# Altium PCB AnalogIO-CAN-HW-Rev1.PcbDoc (part 1 of 2)
Units mil, origin at the board's own origin, x right, y up, seen from the top; angles counter-clockwise.
Board outline 3934 x 2940 mil, 4 copper layers (Top Layer, GND Layer, Power Layer, Bottom Layer), stack 22.154 mil thick; 165 components, 107 nets, 484 pads, 172 vias.
Unrouted connection lines stored in the file: 53.
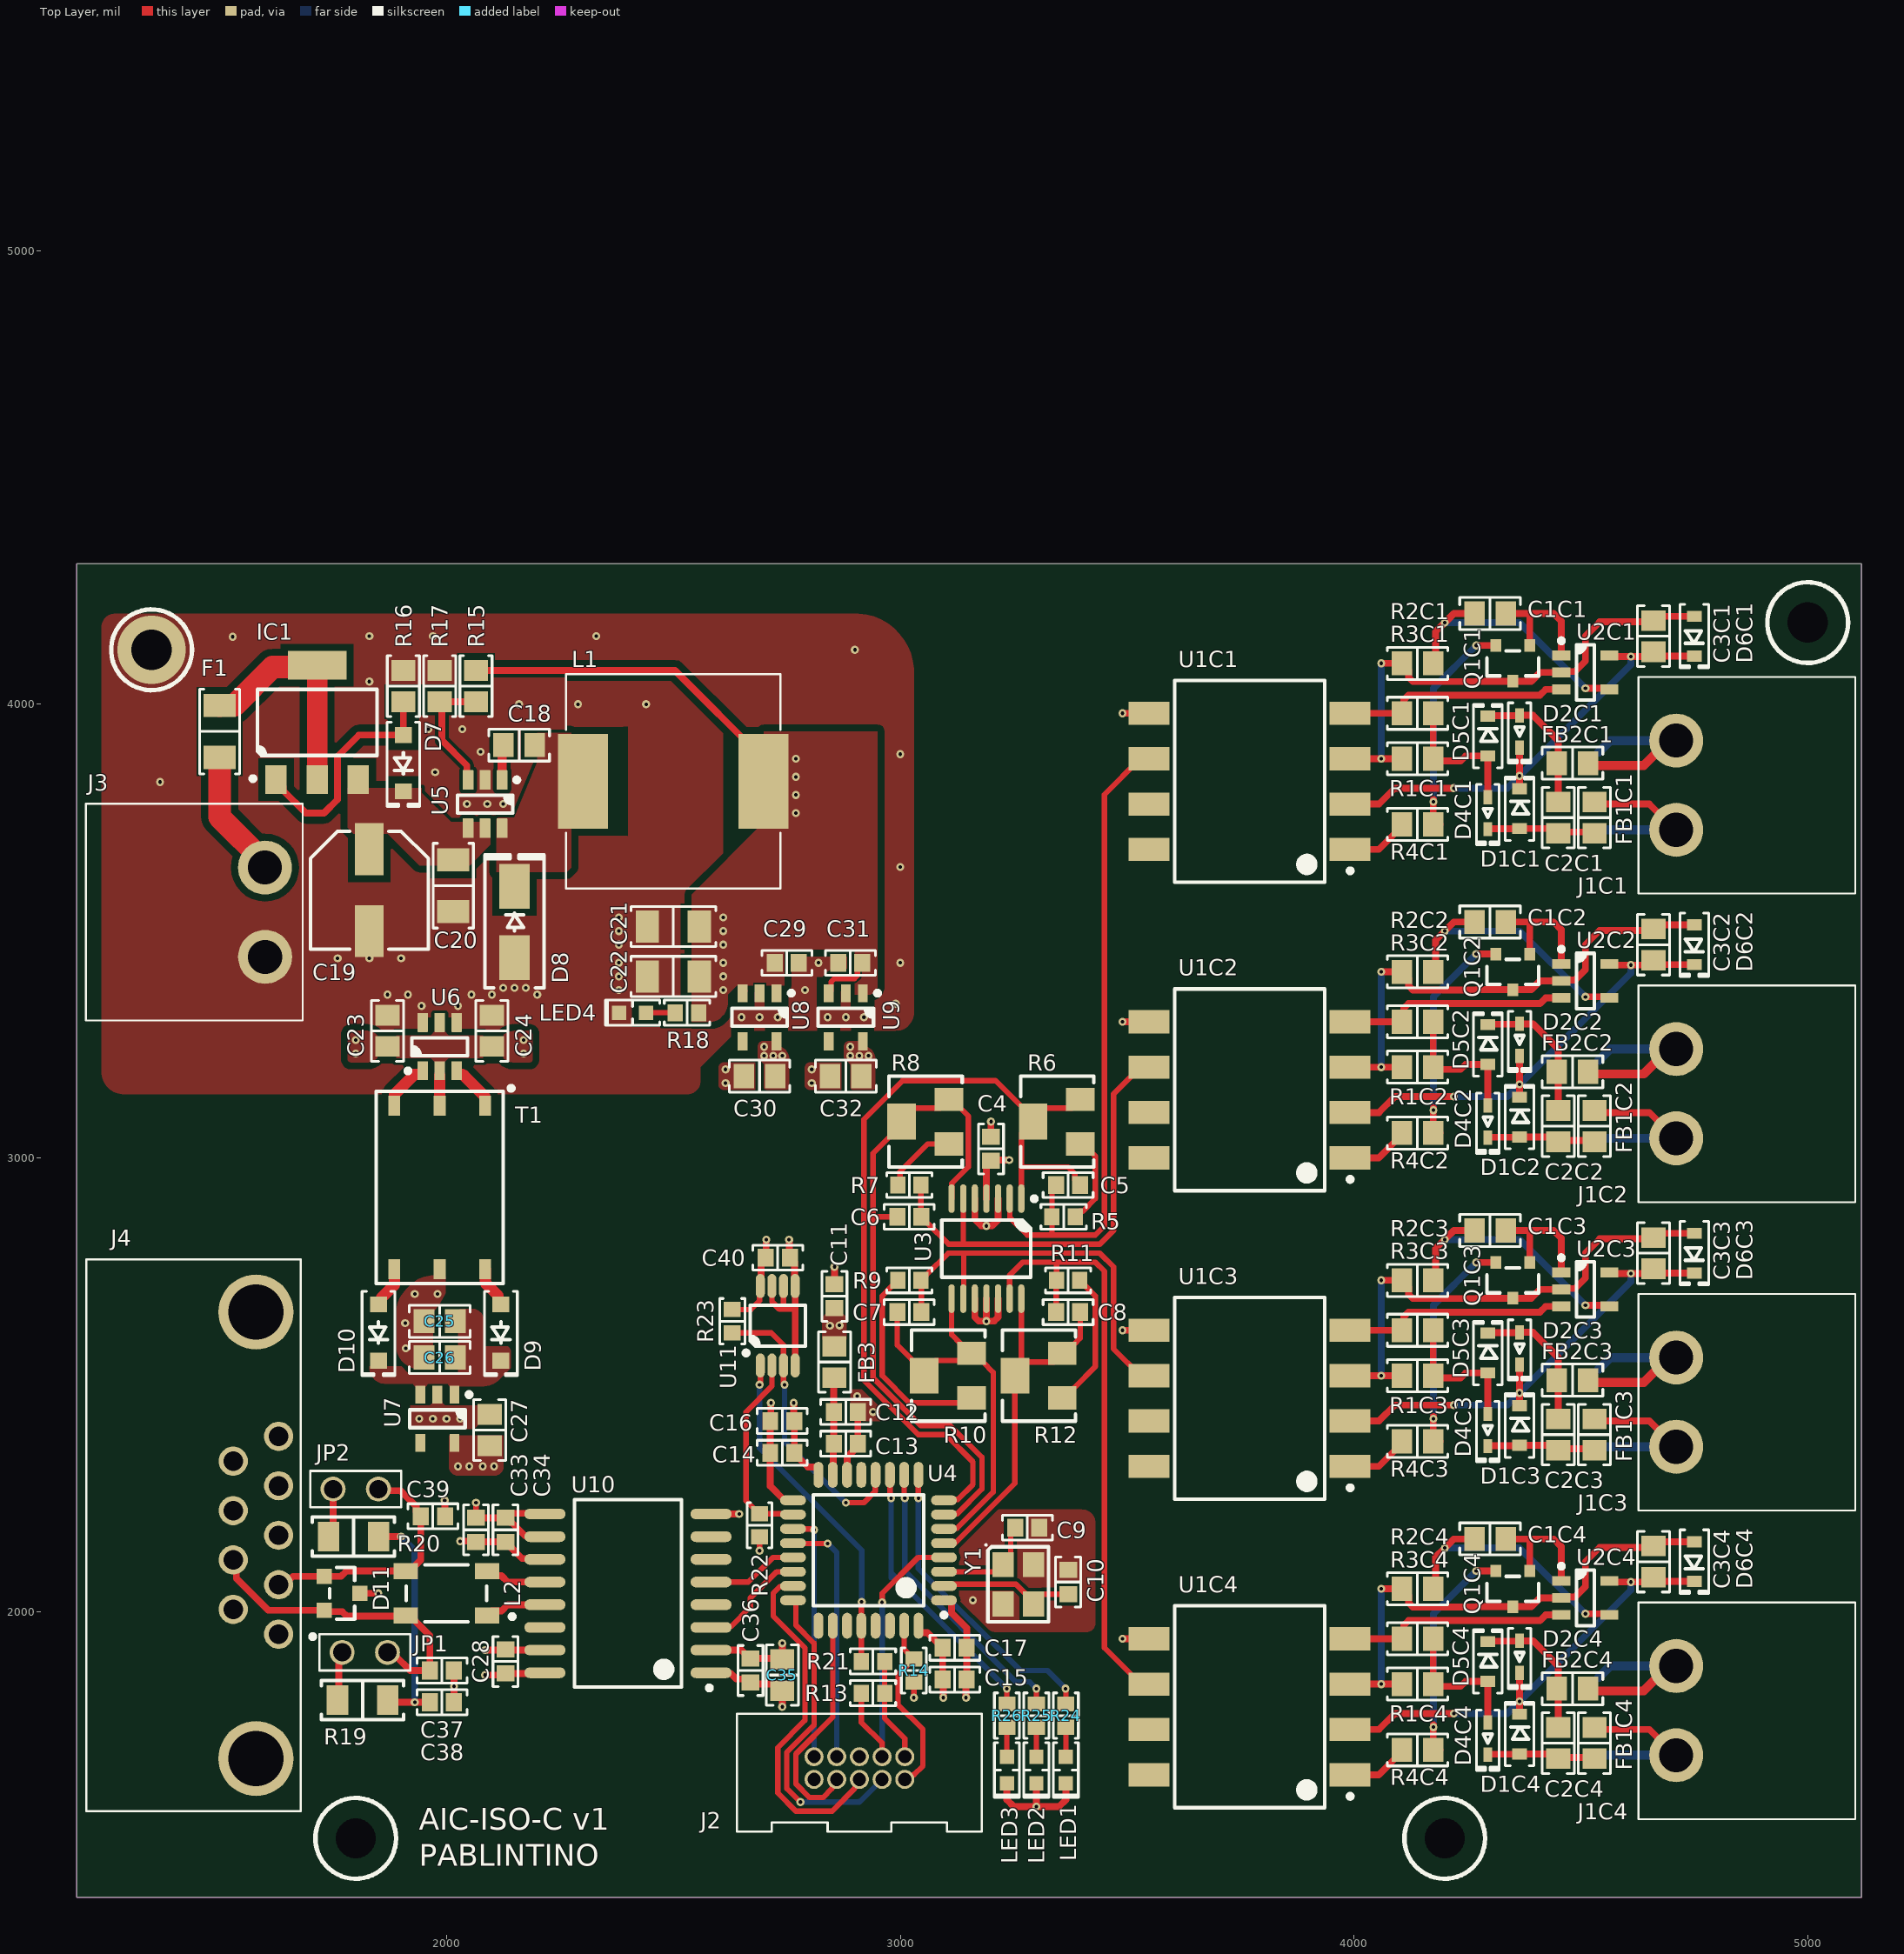
[diagram p0: Top Layer view]
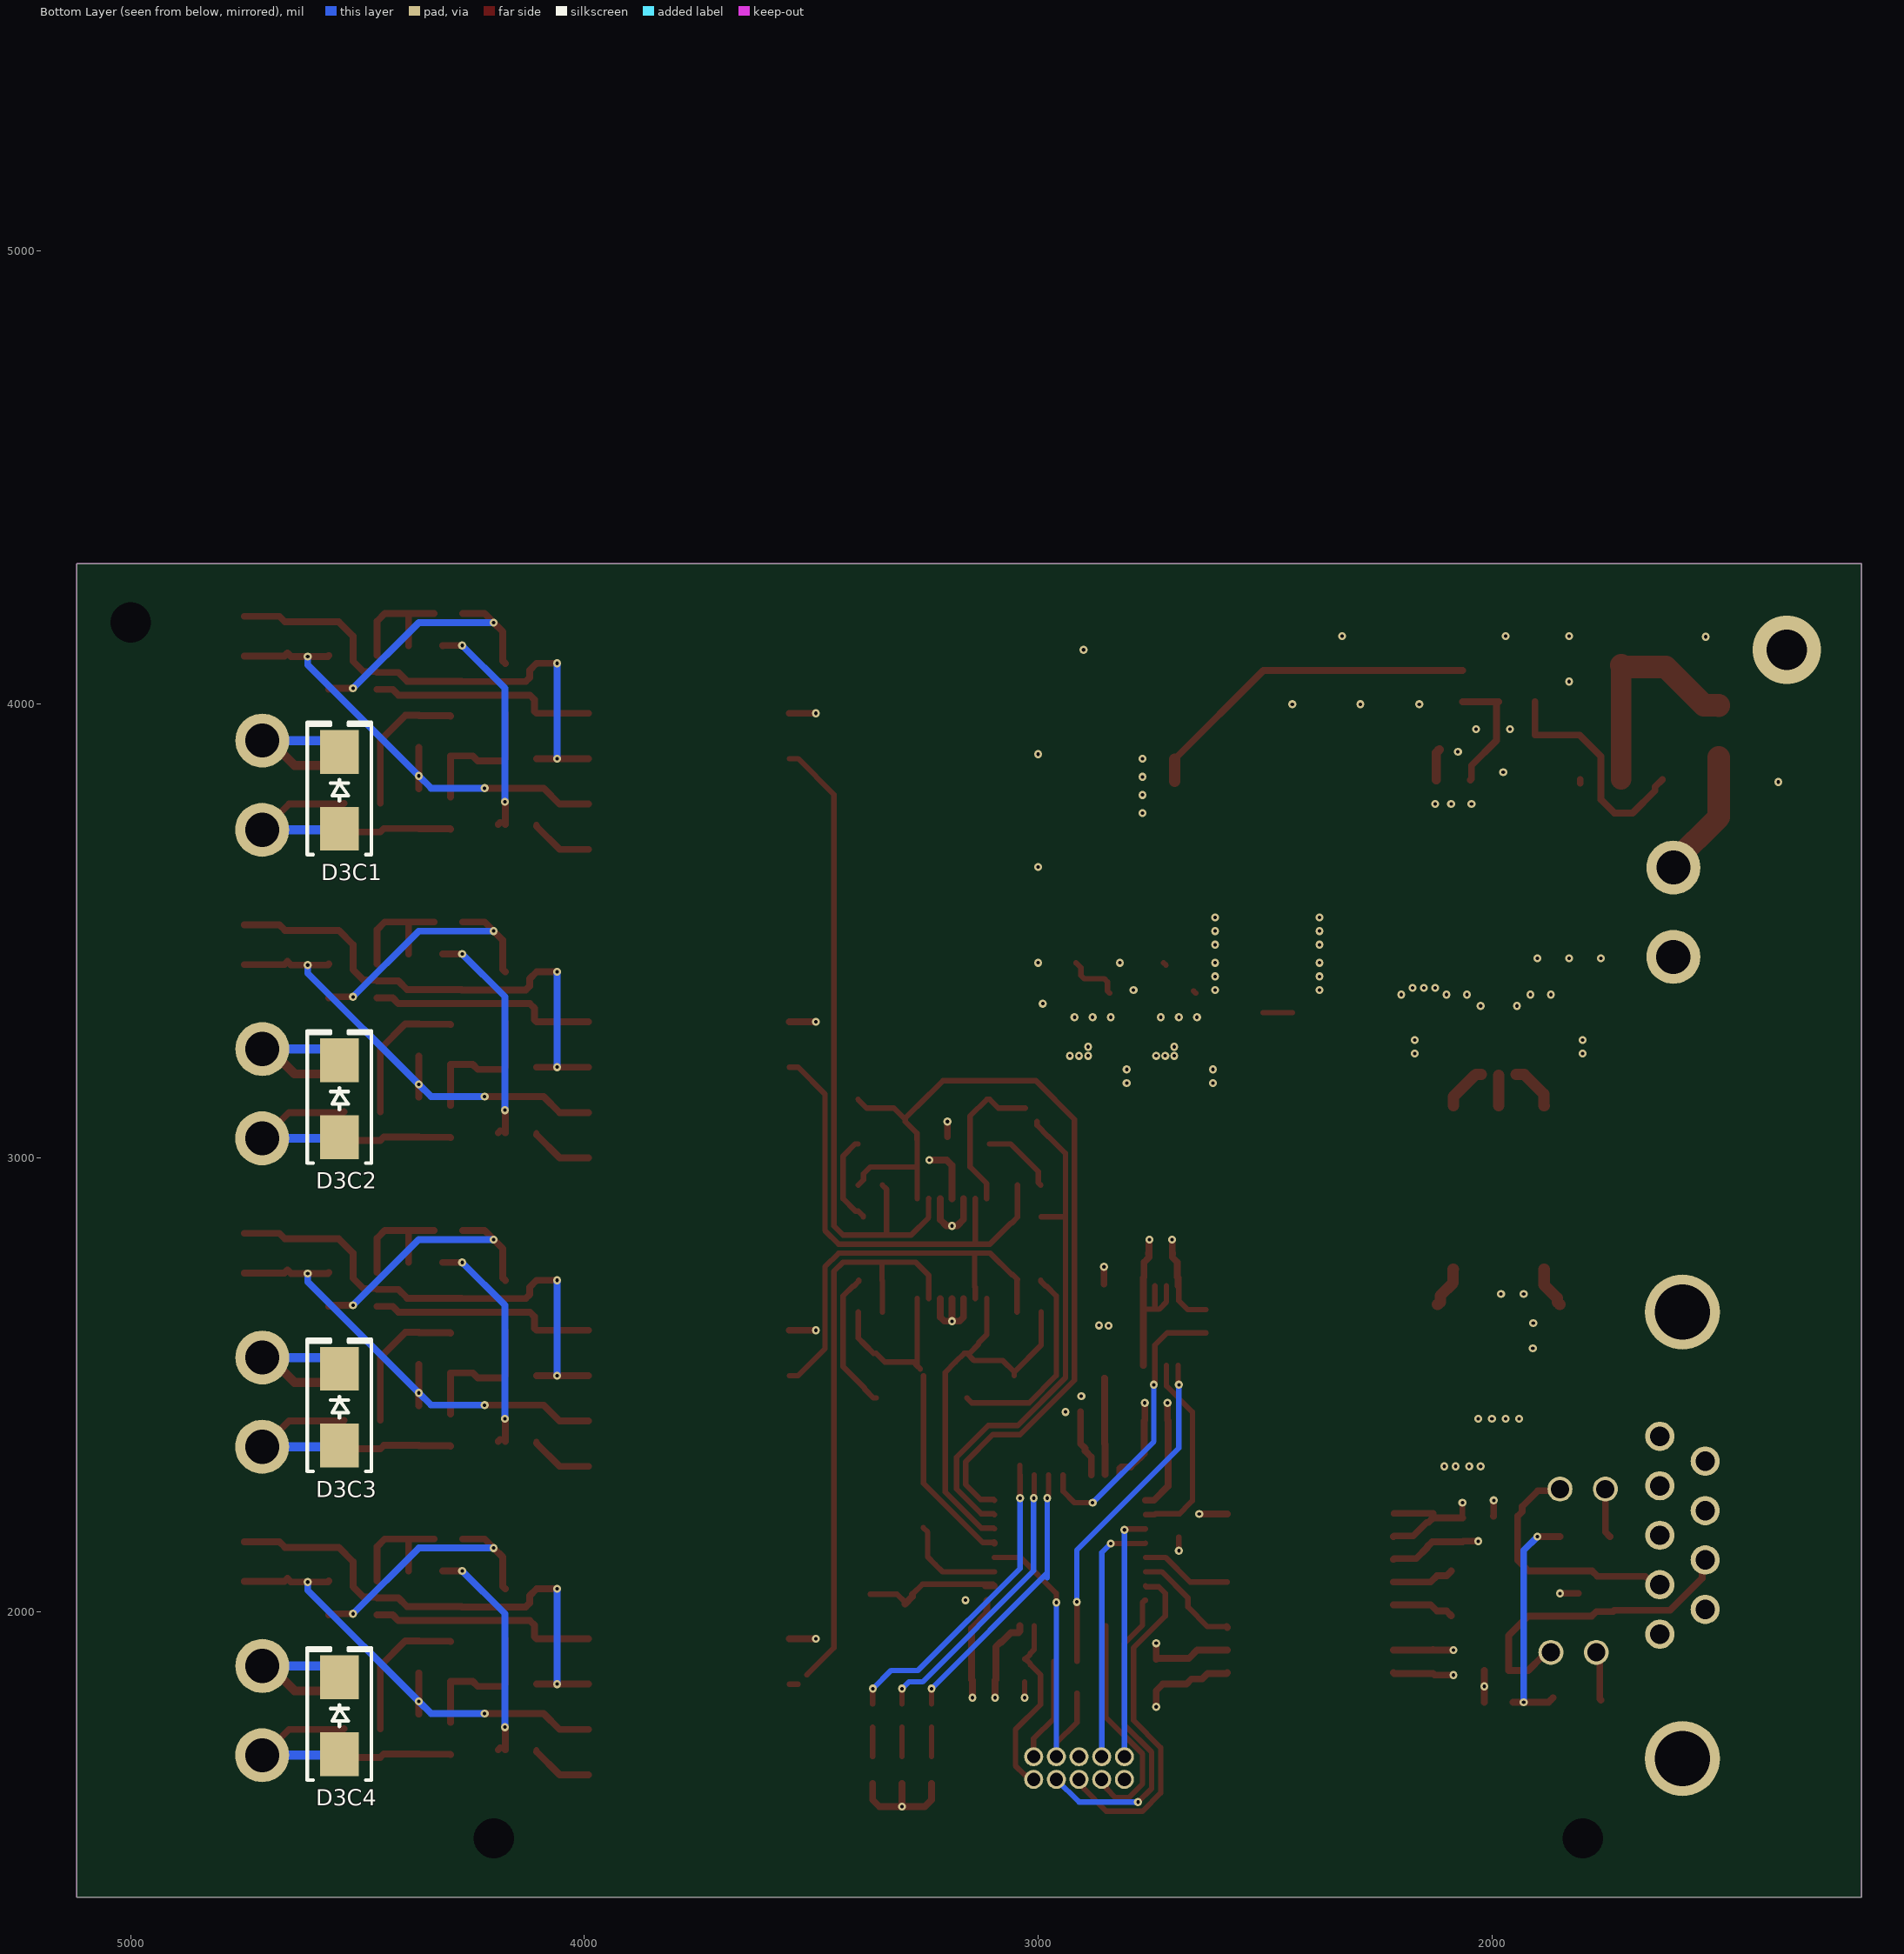
[diagram p1: Bottom Layer view, seen from below]
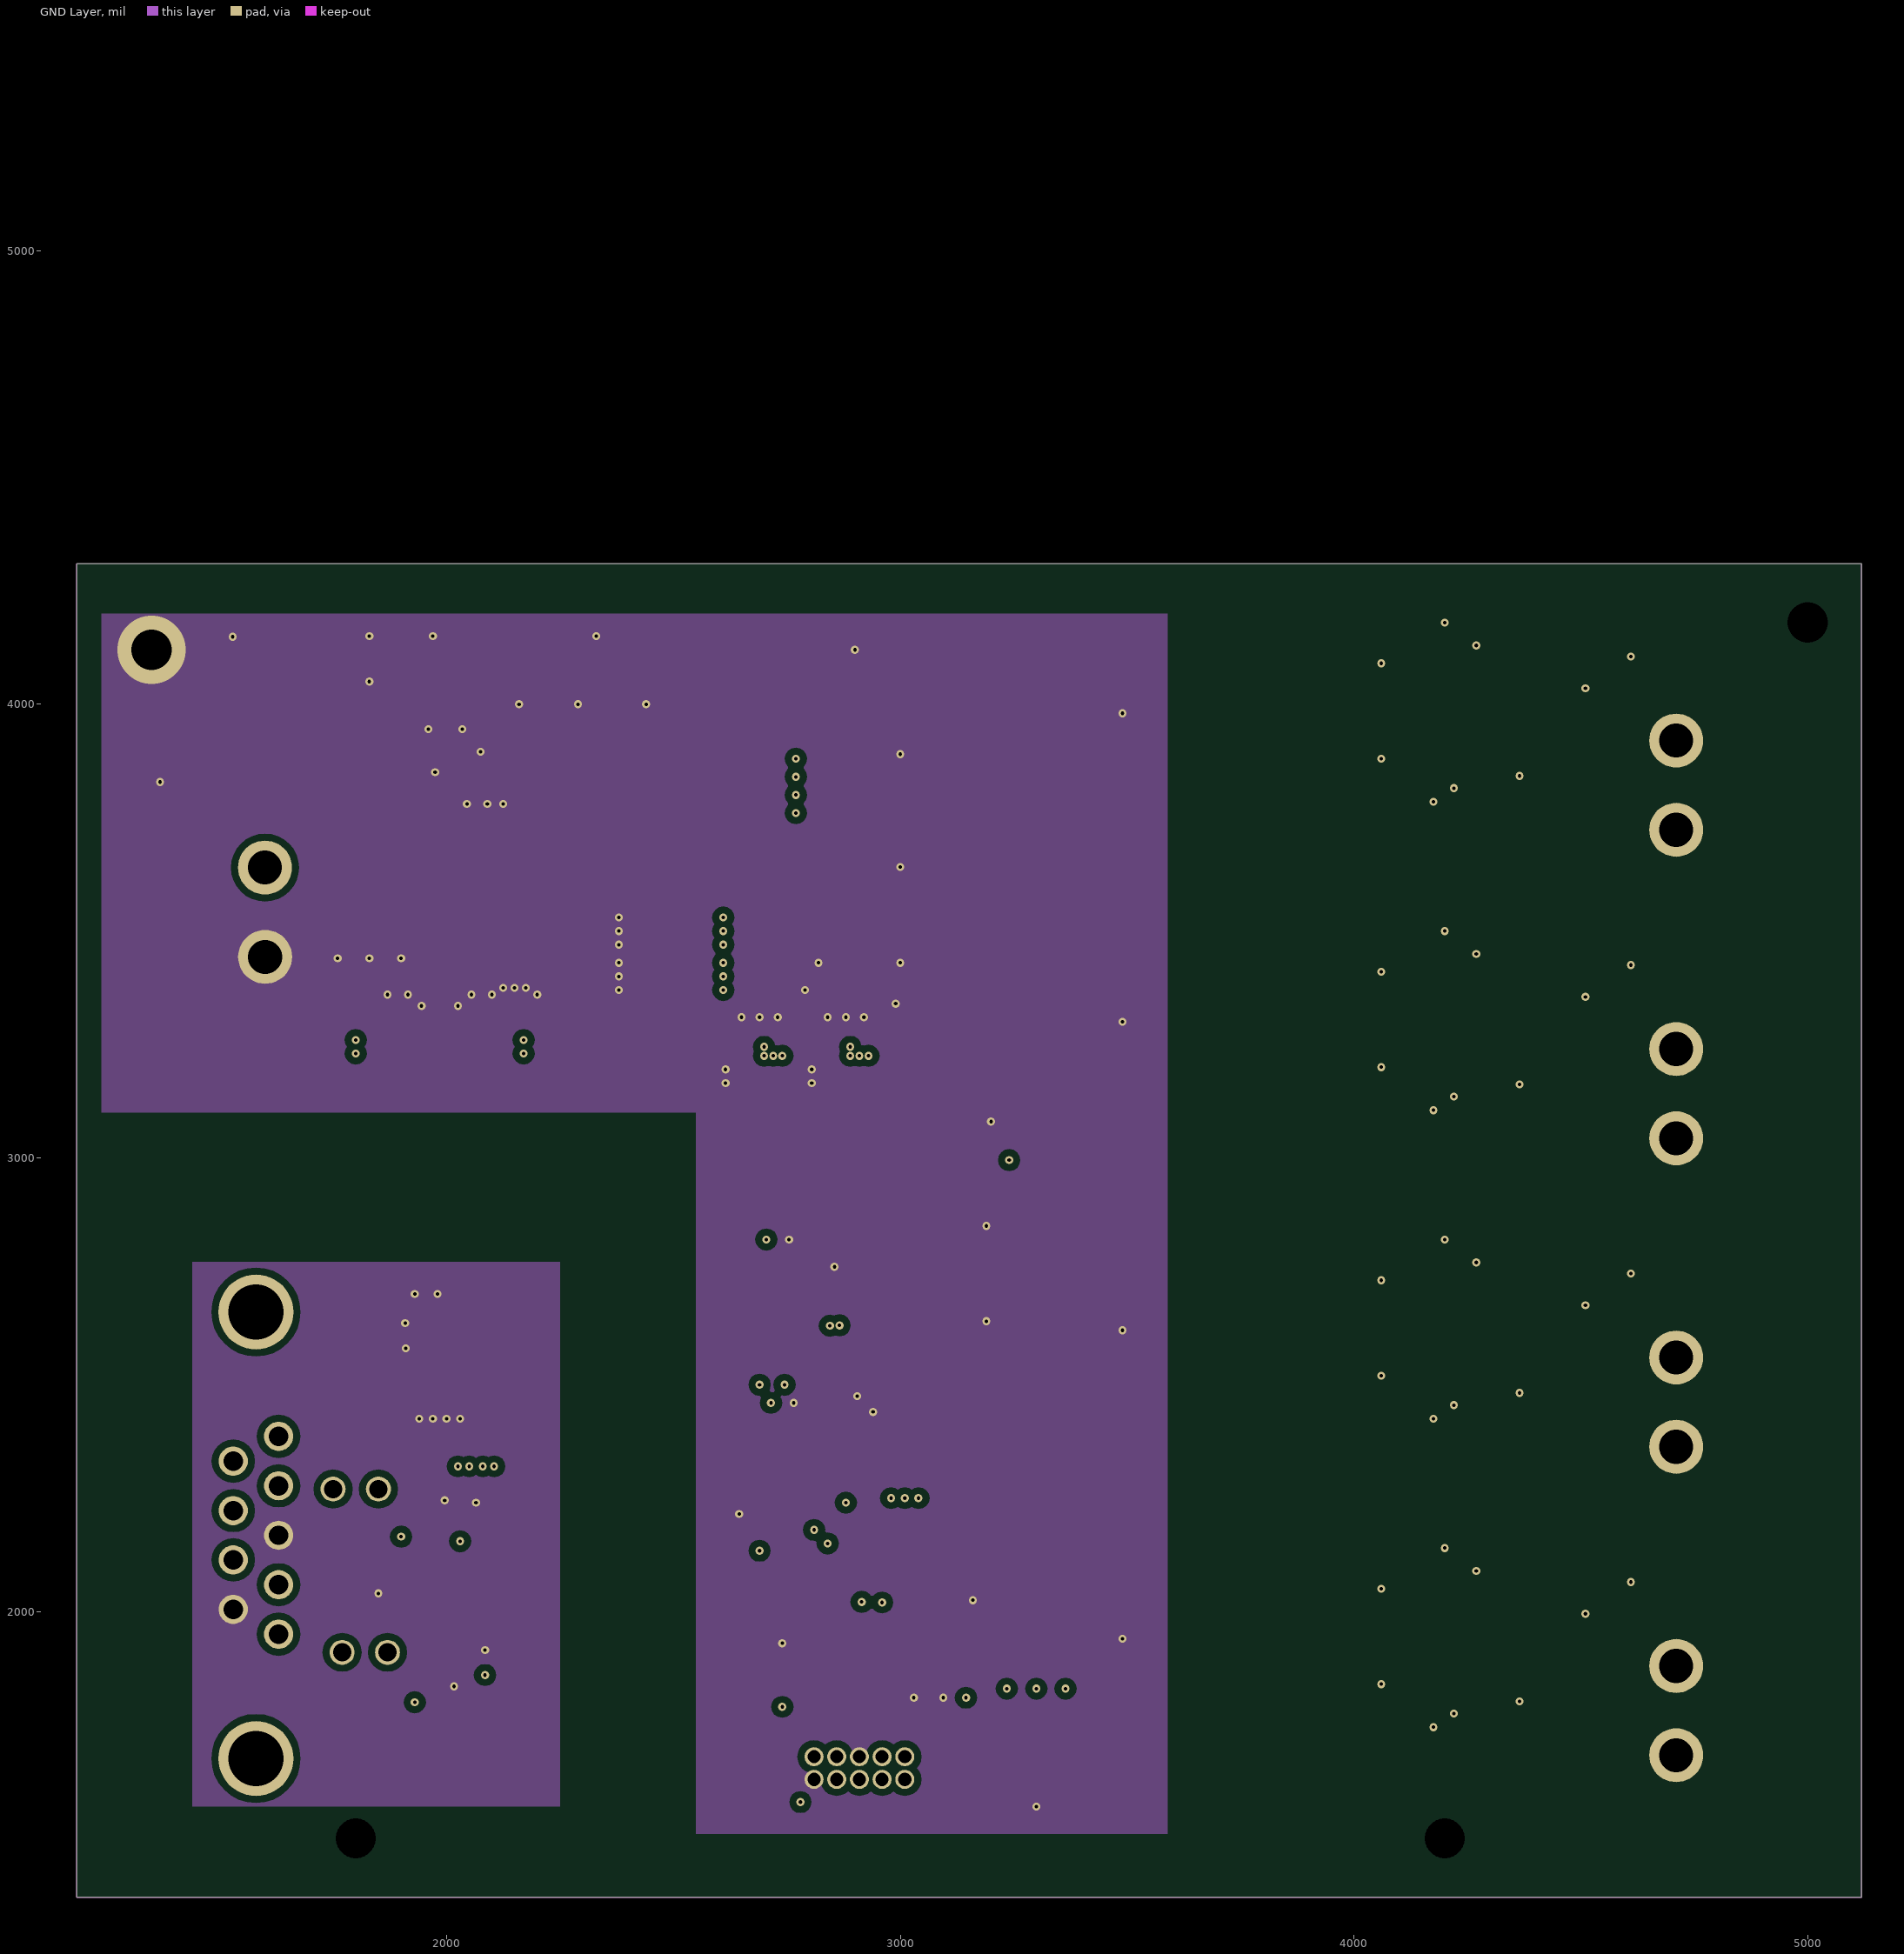
[diagram p2: GND Layer]
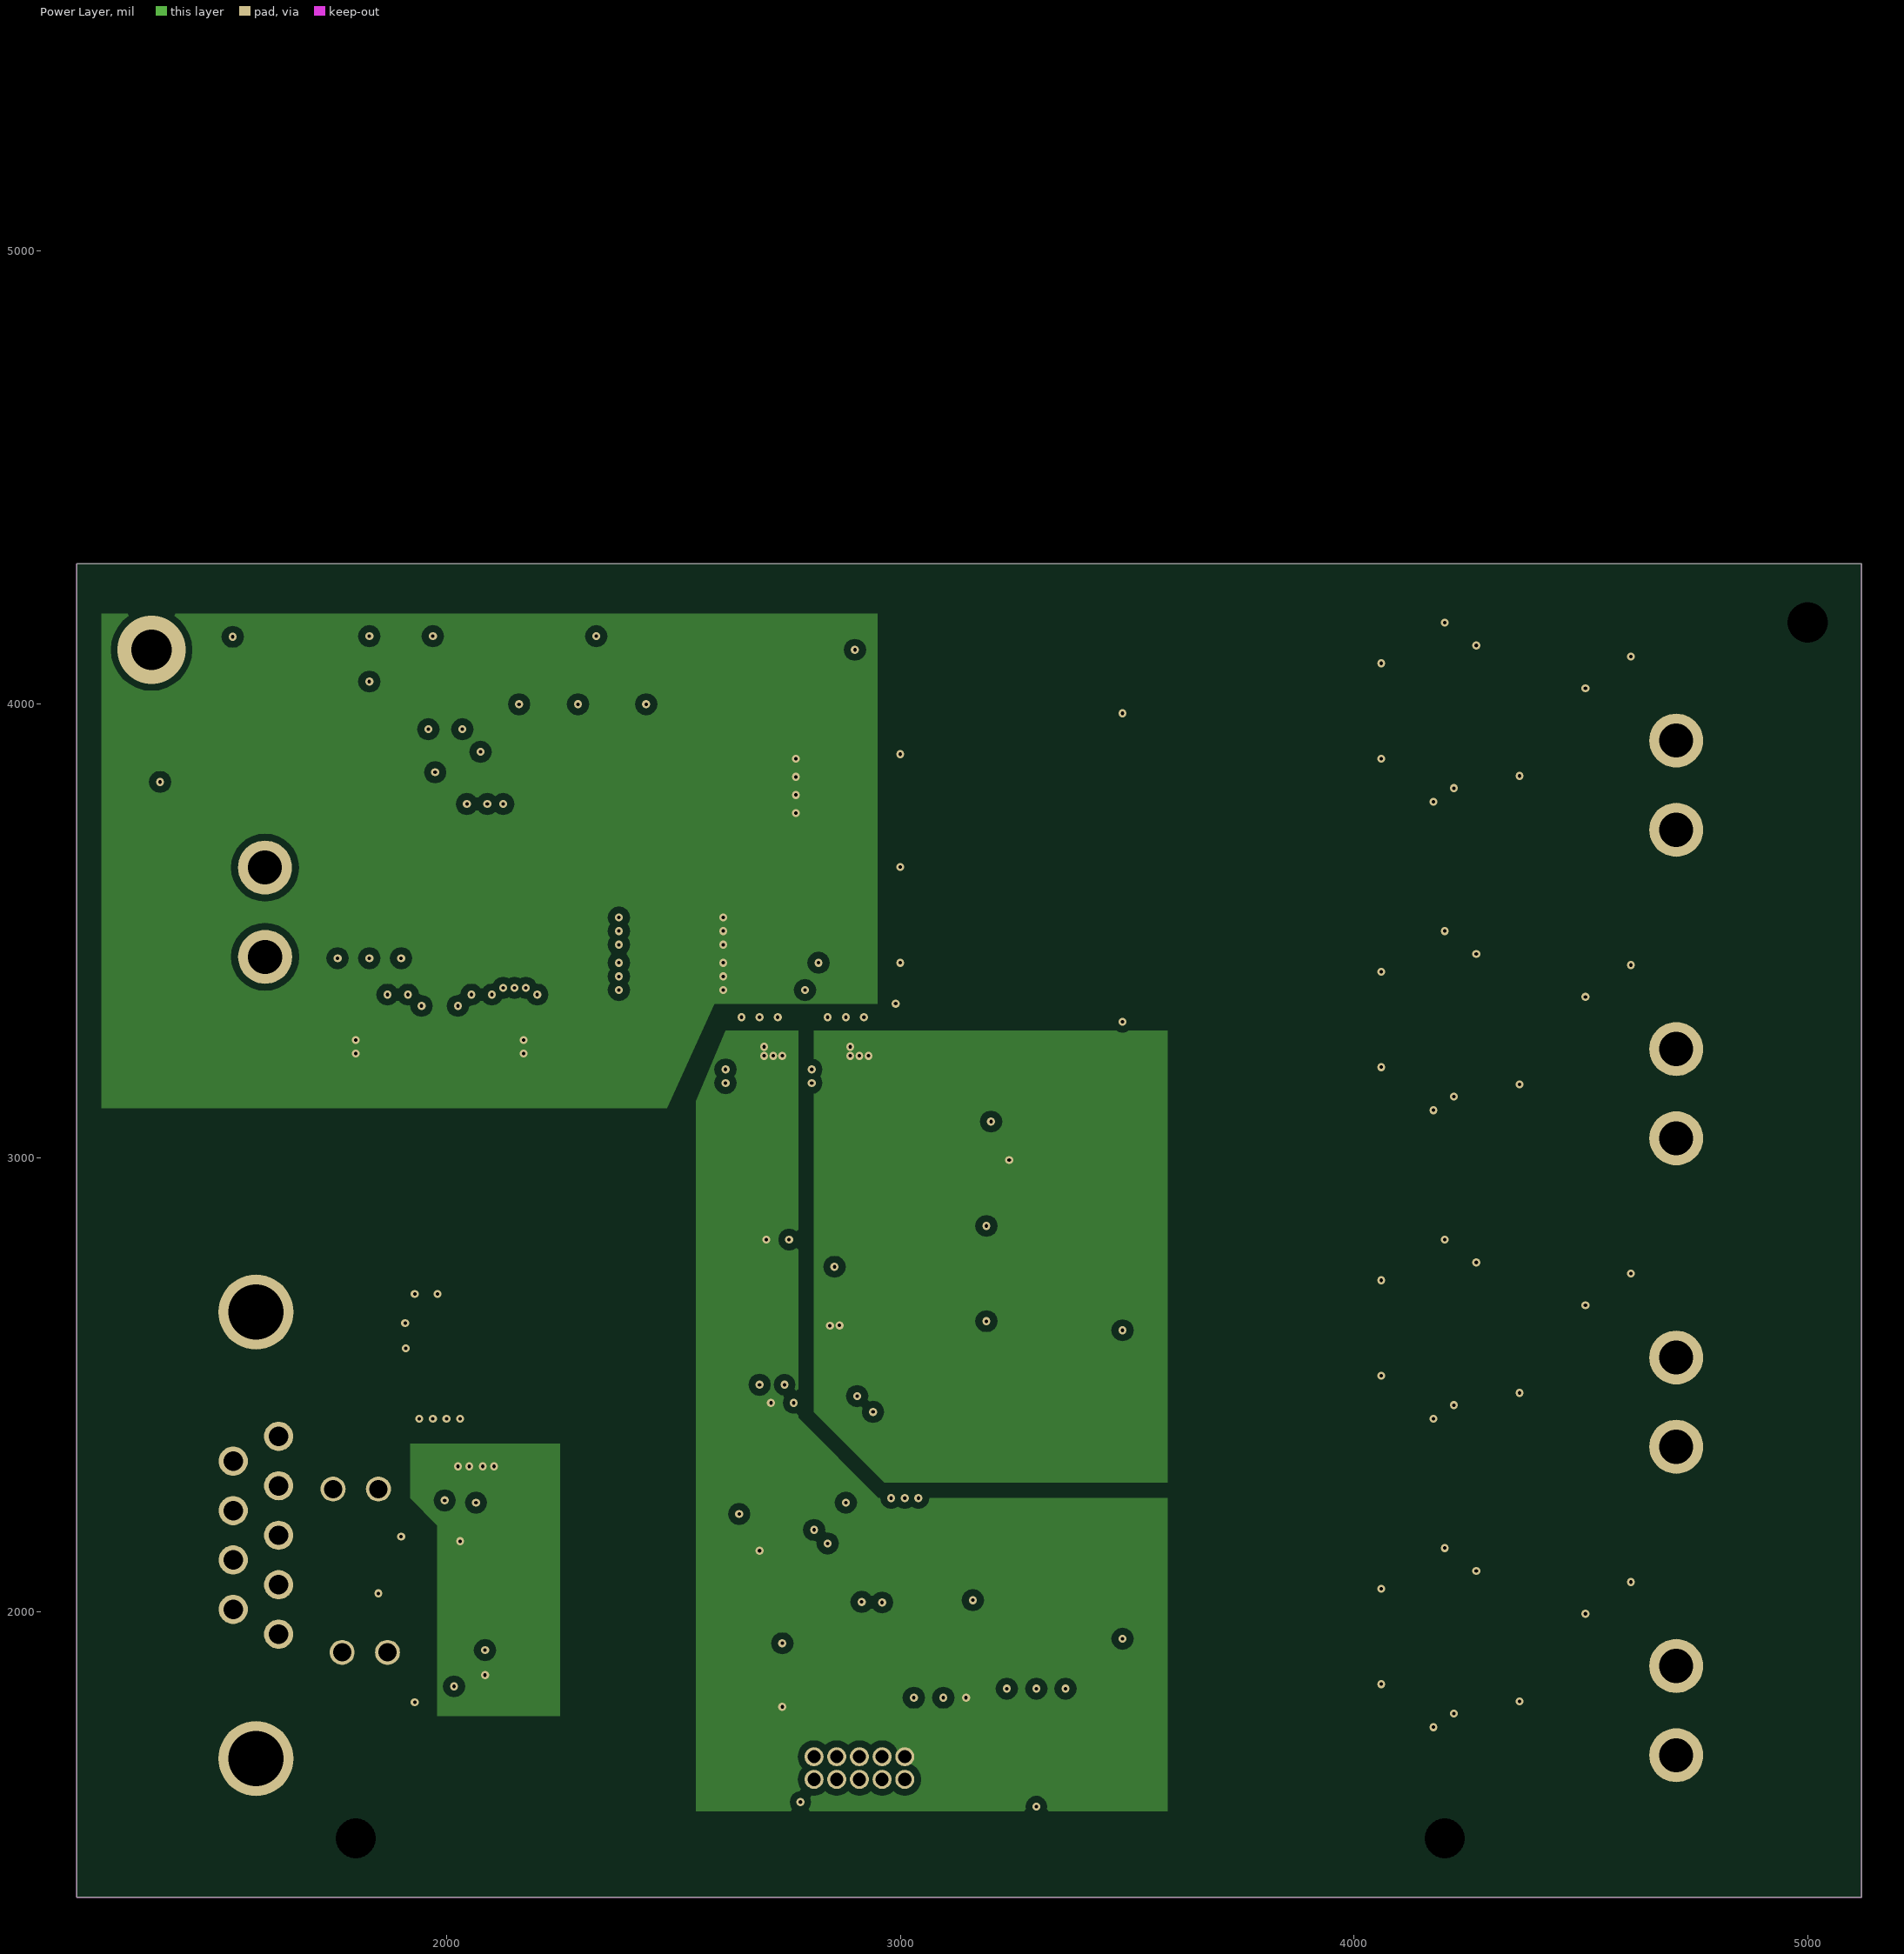
[diagram p3: Power Layer]
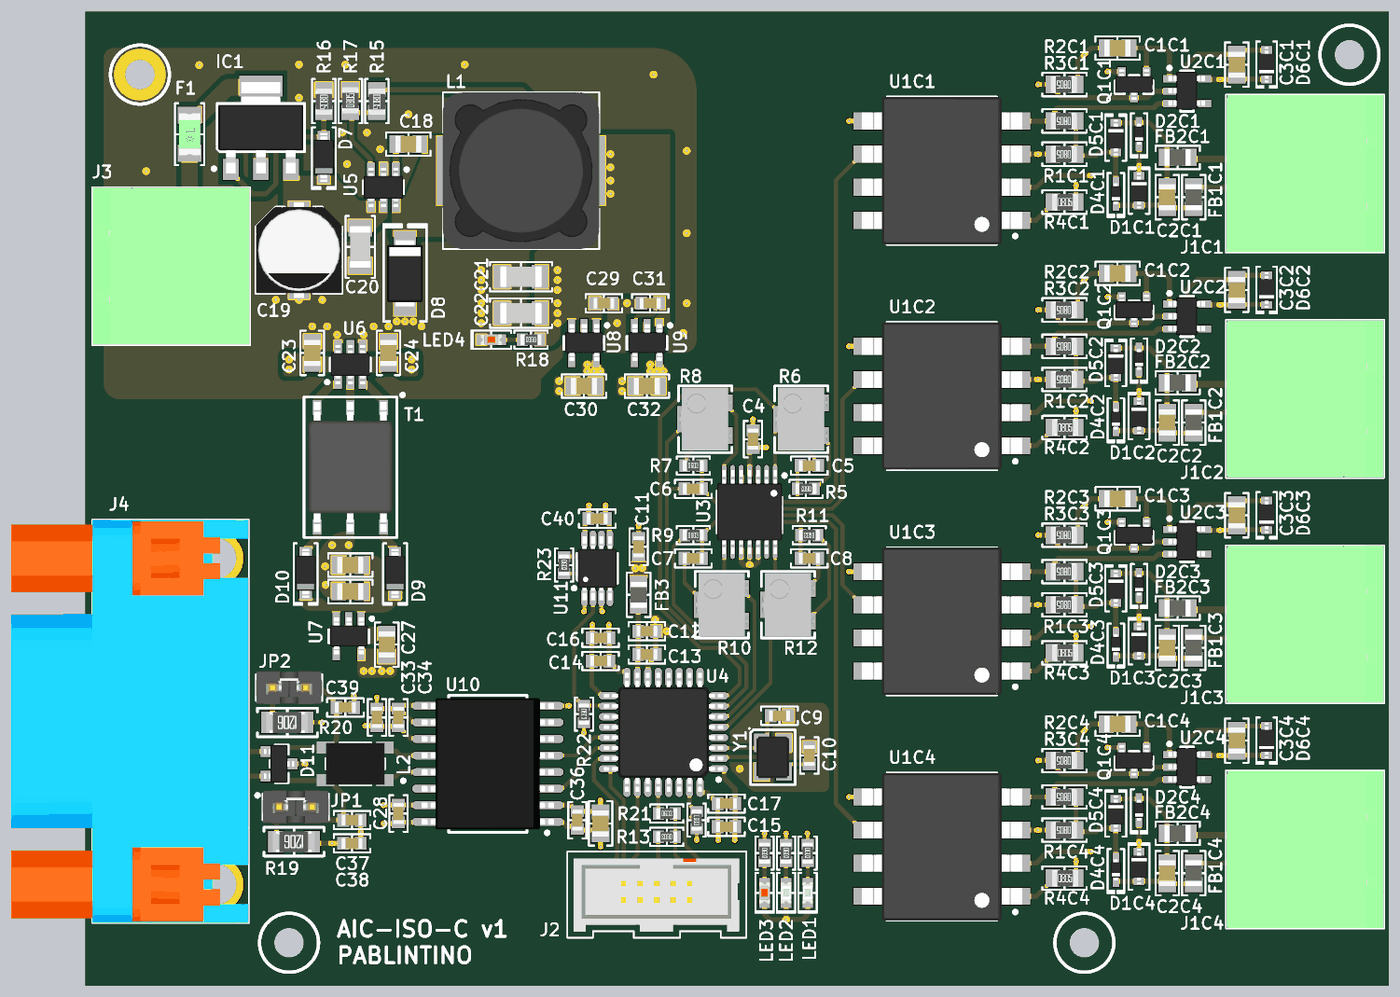
[diagram p5: 3D render of the assembled board from above, using the file's embedded part models]
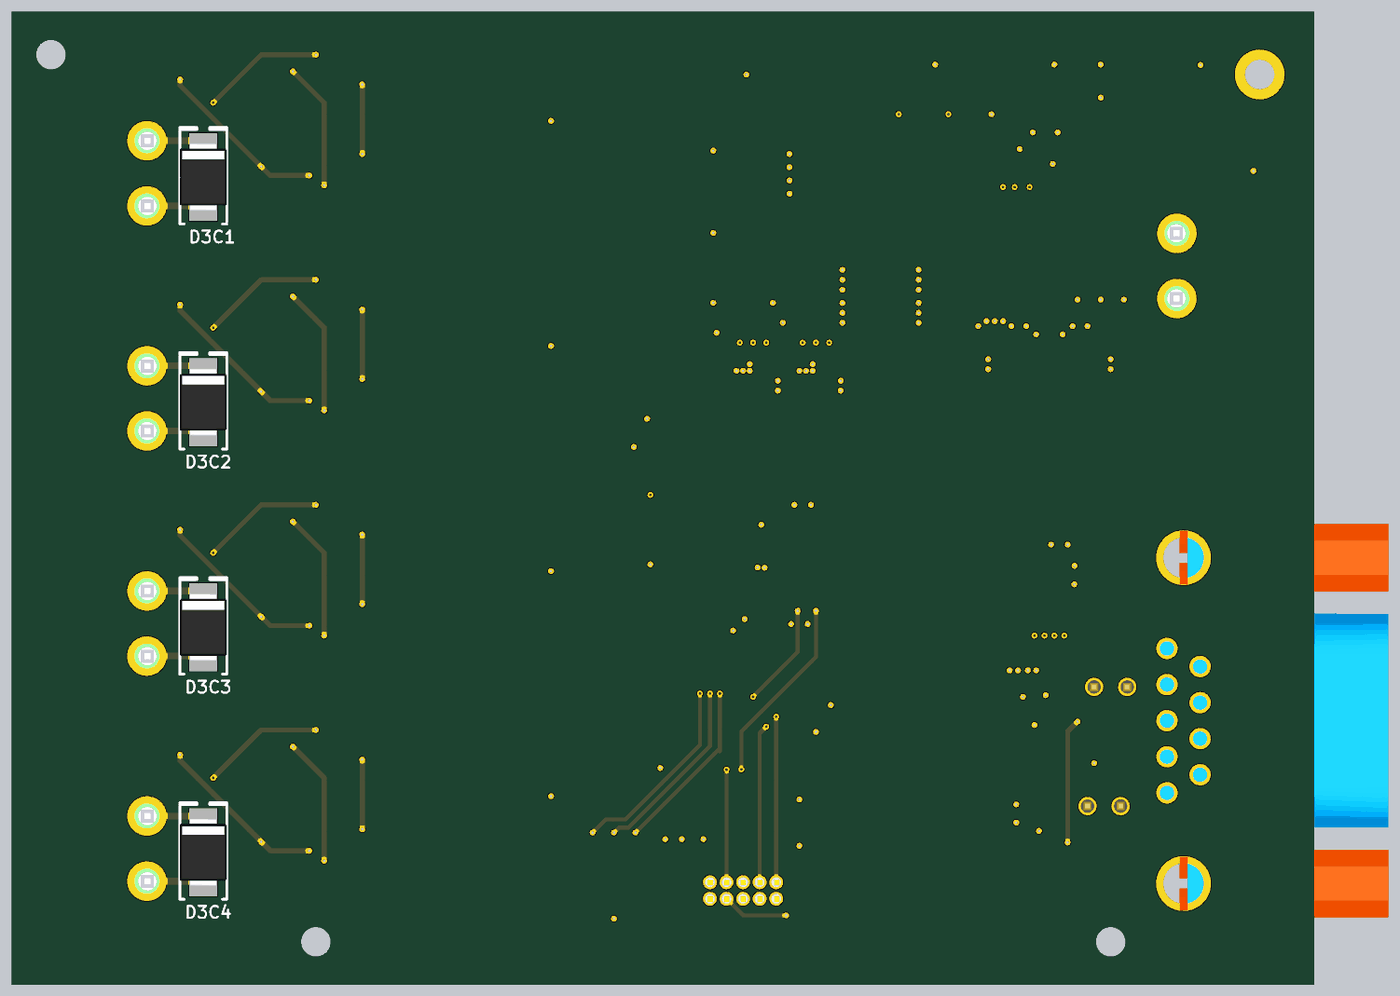
[diagram p6: 3D render of the assembled board from below, using the file's embedded part models]

## Layer stack, top to bottom
Top Solder: solder mask 0.4, Solder Resist, Dk 3.5
Top Layer: signal copper 1.4
Dielectric 2: prepreg 2, PP-001, Dk 3.9
GND Layer: signal copper 1.378
Dielectric 1: dielectric 12.5984, FR-4, Dk 4.8
Power Layer: signal copper 1.378
Dielectric 3: prepreg 2, PP-001, Dk 3.9
Bottom Layer: signal copper 1.4
Bottom Solder: solder mask 0.4, Solder Resist, Dk 3.5

## Board outline
1185,1370 5119,1370 5119,4310 1185,4310
